# Allegro board 038RT-9068CJK8E-A100_0921_1.brd (continued)
## Placement (name value [footprint] x y rotation side) (continued)
NOREF#2531  -  []  224.48 37.13 90 top
NOREF#2532  -  []  229.6 290.73 0 top
NOREF#2533  -  []  582.4 265.96 90 top
NOREF#2534  -  []  54.32 242.6 0 top
NOREF#2535  -  []  94.1 290.41 90 top
NOREF#2536  -  []  406.47 268.25 90 top
NOREF#2537  -  []  441.2 144.61 0 top
NOREF#2538  -  []  399.5 36.11 0 top
NOREF#2539  -  []  498.27 222.56 90 top
NOREF#2540  -  []  22.46 381.99 0 top
NOREF#2541  -  []  406.07 267.02 0 top
NOREF#2542  -  []  318.68 43.56 90 top
NOREF#2543  -  []  440.01 227.06 0 top
NOREF#2544  -  []  405.27 270.22 0 top
NOREF#2545  -  []  611.36 331.22 90 top
NOREF#2546  -  []  436.51 224.7 0 top
NOREF#2547  -  []  88.21 262.63 0 top
NOREF#2548  -  []  600.79 198.63 90 top
NOREF#2549  -  []  441.22 281.69 90 top
NOREF#2550  -  []  84.27 230.11 0 top
NOREF#2551  -  []  290.9 271.79 90 top
NOREF#2552  -  []  520.41 47.24 90 top
NOREF#2553  -  []  678.41 226.07 0 top
NOREF#2554  -  []  404.11 212.21 0 top
NOREF#2555  -  []  97.32 153.24 0 top
NOREF#2556  -  []  158.28 429.7 90 top
NOREF#2557  -  []  220.26 33.83 90 top
NOREF#2558  -  []  518.42 214.96 90 top
NOREF#2559  -  []  493.24 378.54 0 top
NOREF#2560  -  []  597.59 203.43 90 top
NOREF#2561  -  []  416.18 378.54 0 top
NOREF#2562  -  []  168.38 58.88 90 top
NOREF#2563  -  []  586.33 182.01 90 top
NOREF#2564  -  []  96.13 289.19 90 top
NOREF#2565  -  []  362.76 207.6 0 top
NOREF#2566  -  []  626.47 207.34 0 top
NOREF#2567  -  []  527.31 53.55 90 top
NOREF#2568  -  []  96.19 208.25 90 top
NOREF#2569  -  []  96.57 269.42 0 top
NOREF#2570  -  []  63.36 262.31 90 top
NOREF#2571  -  []  426.57 417.96 90 top
NOREF#2572  -  []  197.76 21.33 0 top
NOREF#2573  -  []  358.42 41.32 90 top
NOREF#2574  -  []  544.43 52.55 90 top
NOREF#2575  -  []  164.39 221.16 90 top
NOREF#2576  -  []  284.11 265.83 0 top
NOREF#2577  -  []  633.45 320.43 0 top
NOREF#2578  -  []  83.59 255.14 90 top
NOREF#2579  -  []  592.44 312.42 90 top
NOREF#2580  -  []  370.03 213.54 90 top
NOREF#2581  -  []  118.53 34.57 0 top
NOREF#2582  -  []  340.65 193.65 90 top
NOREF#2583  -  []  522.71 46.5 0 top
NOREF#2584  -  []  86.97 264.62 0 top
NOREF#2585  -  []  100.97 201.03 90 top
NOREF#2586  -  []  98.59 269.85 90 top
NOREF#2587  -  []  153.74 453.5 90 top
NOREF#2588  -  []  171.86 53.34 90 top
NOREF#2589  -  []  273.03 213.53 90 top
NOREF#2590  -  []  411.29 269.05 90 top
NOREF#2591  -  []  400.08 251.74 90 top
NOREF#2592  -  []  318.02 27.56 0 top
NOREF#2593  -  []  682.83 146.3 90 top
NOREF#2594  -  []  406.49 199.43 0 top
NOREF#2595  -  []  284.94 282.96 90 top
NOREF#2596  -  []  623.58 285.14 90 top
NOREF#2597  -  []  88.33 290.11 0 top
NOREF#2598  -  []  599.21 199.41 0 top
NOREF#2599  -  []  537.38 238.4 90 top
NOREF#2600  -  []  403.29 206.61 0 top
NOREF#2601  -  []  155.74 456.3 0 top
NOREF#2602  -  []  408.55 190.87 90 top
NOREF#2603  -  []  594.79 181.71 90 top
NOREF#2604  -  []  529.78 222.56 90 top
NOREF#2605  -  []  600.88 181.71 90 top
NOREF#2606  -  []  98.17 204.62 0 top
NOREF#2607  -  []  108.43 196.21 90 top
NOREF#2608  -  []  594.46 182.01 90 top
NOREF#2609  -  []  494.78 420.16 90 top
NOREF#2610  -  []  408.09 203.43 90 top
NOREF#2611  -  []  157.11 286.01 0 top
NOREF#2612  -  []  574.64 191.95 90 top
NOREF#2613  -  []  683.79 105.03 90 top
NOREF#2614  -  []  477.41 27.63 90 top
NOREF#2615  -  []  621.83 149.4 90 top
NOREF#2616  -  []  284.44 223.23 90 top
NOREF#2617  -  []  631.5 364.87 90 top
NOREF#2618  -  []  283.24 280.07 0 top
NOREF#2619  -  []  283.29 206.61 0 top
NOREF#2620  -  []  599.97 207.45 90 top
NOREF#2621  -  []  406.49 204.23 0 top
NOREF#2622  -  []  103.1 229.44 90 top
NOREF#2623  -  []  338.55 24.66 0 top
NOREF#2624  -  []  330.67 448.21 90 top
NOREF#2625  -  []  575.29 191.96 90 top
NOREF#2626  -  []  157.25 272.9 0 top
NOREF#2627  -  []  606.28 332.36 90 top
NOREF#2628  -  []  336.65 266.23 0 top
NOREF#2629  -  []  597.37 241.05 90 top
NOREF#2630  -  []  209.38 259.08 90 top
NOREF#2631  -  []  344.82 19.6 0 top
NOREF#2632  -  []  287.6 277.29 90 top
NOREF#2633  -  []  15.1 414.65 90 top
NOREF#2634  -  []  447.2 326.54 90 top
NOREF#2635  -  []  105.96 216.86 0 top
NOREF#2636  -  []  278.52 280.05 0 top
NOREF#2637  -  []  220.63 439.19 0 top
NOREF#2638  -  []  519.64 35.81 90 top
NOREF#2639  -  []  155.98 51.05 0 top
NOREF#2640  -  []  93.81 200.23 0 top
NOREF#2641  -  []  591.68 149.86 90 top
NOREF#2642  -  []  510.14 53.97 90 top
NOREF#2643  -  []  98.17 207.02 0 top
NOREF#2644  -  []  100.97 266.63 90 top
NOREF#2645  -  []  282.1 202.2 90 top
NOREF#2646  -  []  180.15 214.96 90 top
NOREF#2647  -  []  573.99 214.56 90 top
NOREF#2648  -  []  -6.71 287.4 0 top
NOREF#2649  -  []  364.78 264.62 0 top
NOREF#2650  -  []  250.33 213.29 90 top
NOREF#2651  -  []  62.84 186.47 90 top
NOREF#2652  -  []  528.13 237 0 top
NOREF#2653  -  []  236 284.13 90 top
NOREF#2654  -  []  89.01 199.41 0 top
NOREF#2655  -  []  310.69 454.25 0 top
NOREF#2656  -  []  623.88 219.68 0 top
NOREF#2657  -  []  385.75 431.58 90 top
NOREF#2658  -  []  435.3 286.73 0 top
NOREF#2659  -  []  601.2 213.4 90 top
NOREF#2660  -  []  549.42 232.05 0 top
NOREF#2661  -  []  188.77 260.48 0 top
NOREF#2662  -  []  387.8 436.97 90 top
NOREF#2663  -  []  690.26 280.33 90 top
NOREF#2664  -  []  592.37 264.62 0 top
NOREF#2665  -  []  324.92 206.75 90 top
NOREF#2666  -  []  94.97 266.22 0 top
NOREF#2667  -  []  421.32 426.36 0 top
NOREF#2668  -  []  91.39 213.03 0 top
NOREF#2669  -  []  403.31 213.03 0 top
NOREF#2670  -  []  99.39 206.61 0 top
NOREF#2671  -  []  603.57 200.62 0 top
NOREF#2672  -  []  537.38 204.44 90 top
NOREF#2673  -  []  592.79 264.25 90 top
NOREF#2674  -  []  494.78 425.56 0 top
NOREF#2675  -  []  282.79 330.54 90 top
NOREF#2676  -  []  270.55 436.97 90 top
NOREF#2677  -  []  398.1 273.42 0 top
NOREF#2678  -  []  283.79 223.21 90 top
NOREF#2679  -  []  594.14 181.7 90 top
NOREF#2680  -  []  416.58 454.84 315 top
NOREF#2681  -  []  288.89 205.85 90 top
NOREF#2682  -  []  36.29 220.6 90 top
NOREF#2683  -  []  399.29 271.45 90 top
NOREF#2684  -  []  436.21 288.44 0 top
NOREF#2685  -  []  594.77 263.02 0 top
NOREF#2686  -  []  417.52 250.01 90 top
NOREF#2687  -  []  398.41 439.19 0 top
NOREF#2688  -  []  405.3 208.6 90 top
NOREF#2689  -  []  586.33 242.01 90 top
NOREF#2690  -  []  596.17 241.7 0 top
NOREF#2691  -  []  92.17 203.45 90 top
NOREF#2692  -  []  91 200.6 90 top
NOREF#2693  -  []  334.78 30.1 90 top
NOREF#2694  -  []  142.45 207.7 0 top
NOREF#2695  -  []  402.47 269.83 90 top
NOREF#2696  -  []  599.21 272.21 0 top
NOREF#2697  -  []  87.37 263.45 90 top
NOREF#2698  -  []  358.83 270.99 0 top
NOREF#2699  -  []  407.29 213.01 0 top
NOREF#2700  -  []  15.31 143.02 90 top
NOREF#2701  -  []  91.8 330.83 0 top
NOREF#2702  -  []  518.88 44.7 0 top
NOREF#2703  -  []  88.99 210.63 0 top
NOREF#2704  -  []  94.47 314.58 0 top
NOREF#2705  -  []  494.78 417.96 90 top
NOREF#2706  -  []  582.4 205.96 90 top
NOREF#2707  -  []  340.75 38.37 90 top
NOREF#2708  -  []  654.31 220.6 90 top
NOREF#2709  -  []  531.98 198.09 0 top
NOREF#2710  -  []  370.21 92.61 90 top
NOREF#2711  -  []  603.97 209.03 90 top
NOREF#2712  -  []  232.2 203 0 top
NOREF#2713  -  []  354.63 39.83 90 top
NOREF#2714  -  []  110.98 157.86 0 top
NOREF#2715  -  []  324.89 221.21 0 top
NOREF#2716  -  []  359.73 203.62 0 top
NOREF#2717  -  []  184.56 447.73 90 top
NOREF#2718  -  []  636.29 153.92 0 top
NOREF#2719  -  []  99.87 290.09 0 top
NOREF#2720  -  []  440.02 286.41 0 top
NOREF#2721  -  []  373.61 270.11 90 top
NOREF#2722  -  []  596.77 265.85 90 top
NOREF#2723  -  []  129.9 320.04 0 top
NOREF#2724  -  []  261.3 206.22 90 top
NOREF#2725  -  []  407.31 204.21 0 top
NOREF#2726  -  []  101.96 160.02 90 top
NOREF#2727  -  []  447.04 418.84 0 top
NOREF#2728  -  []  602.41 269.83 0 top
NOREF#2729  -  []  411.7 211.8 90 top
NOREF#2730  -  []  285.71 209.81 0 top
NOREF#2731  -  []  593.17 263.02 0 top
NOREF#2732  -  []  586.93 322.4 90 top
NOREF#2733  -  []  602.39 212.23 90 top
NOREF#2734  -  []  88.57 265.42 0 top
NOREF#2735  -  []  155.14 222.56 0 top
NOREF#2736  -  []  281.3 211 90 top
NOREF#2737  -  []  609.98 270.47 0 top
NOREF#2738  -  []  76.11 201.52 0 top
NOREF#2739  -  []  599.99 204.23 0 top
NOREF#2740  -  []  280.89 201.03 90 top
NOREF#2741  -  []  405.69 265.85 90 top
NOREF#2742  -  []  72.6 173.97 0 top
NOREF#2743  -  []  -57.3 18.09 90 top
NOREF#2744  -  []  280.89 199.43 0 top
NOREF#2745  -  []  287.29 209.03 90 top
NOREF#2746  -  []  284.09 269.83 90 top
NOREF#2747  -  []  452.01 27.63 0 top
NOREF#2748  -  []  52.31 275.01 90 top
NOREF#2749  -  []  124.85 186.22 90 top
NOREF#2750  -  []  598.39 206.63 90 top
NOREF#2751  -  []  603.99 207.41 0 top
NOREF#2752  -  []  598.37 211.43 90 top
NOREF#2753  -  []  627.24 267.08 90 top
NOREF#2754  -  []  328.31 444.8 0 top
NOREF#2755  -  []  631.5 162.63 90 top
NOREF#2756  -  []  25.25 449.41 0 top
NOREF#2757  -  []  290.95 285.56 90 top
NOREF#2758  -  []  263.3 288.22 0 top
NOREF#2759  -  []  591.21 267.43 0 top
NOREF#2760  -  []  87.5 289.46 90 top
NOREF#2761  -  []  606.37 199.43 90 top
NOREF#2762  -  []  281.75 219.4 90 top
NOREF#2763  -  []  682.83 63.75 90 top
NOREF#2764  -  []  410.49 261.03 90 top
NOREF#2765  -  []  388.15 189.07 90 top
NOREF#2766  -  []  88.17 197.83 90 top
NOREF#2767  -  []  308.62 27.31 90 top
NOREF#2768  -  []  78.61 258.12 0 top
NOREF#2769  -  []  303.26 418.84 90 top
NOREF#2770  -  []  405.59 222.09 0 top
NOREF#2771  -  []  407.31 213.01 0 top
NOREF#2772  -  []  297.85 261.9 0 top
NOREF#2773  -  []  644.7 24.22 0 top
NOREF#2774  -  []  408.87 272.23 90 top
NOREF#2775  -  []  629.25 153.92 0 top
NOREF#2776  -  []  584.63 181.71 0 top
NOREF#2777  -  []  373.61 273.31 0 top
NOREF#2778  -  []  117.51 434.2 0 top
NOREF#2779  -  []  288.5 261.39 90 top
NOREF#2780  -  []  87.8 209.4 90 top
NOREF#2781  -  []  166.78 53.34 90 top
NOREF#2782  -  []  561.83 310.77 90 top
NOREF#2783  -  []  440.32 224.7 0 top
NOREF#2784  -  []  95.97 218.38 0 top
NOREF#2785  -  []  440.28 21.92 0 top
NOREF#2786  -  []  407.67 204.62 0 top
NOREF#2787  -  []  282.49 210.63 0 top
NOREF#2788  -  []  184.37 266.69 0 top
NOREF#2789  -  []  86.97 271.02 0 top
NOREF#2790  -  []  503.67 219.56 0 top
NOREF#2791  -  []  409.69 203.43 90 top
NOREF#2792  -  []  286.47 283.23 90 top
NOREF#2793  -  []  98.59 264.25 90 top
NOREF#2794  -  []  78.61 262.82 0 top
NOREF#2795  -  []  461.73 144.84 0 top
NOREF#2796  -  []  88.19 262.61 0 top
NOREF#2797  -  []  286.49 221.84 0 top
NOREF#2798  -  []  220.9 431.02 90 top
NOREF#2799  -  []  339.41 415.37 0 top
NOREF#2800  -  []  683.79 325.12 90 top
NOREF#2801  -  []  76.66 198.12 0 top
NOREF#2802  -  []  102.55 230.11 0 top
NOREF#2803  -  []  88.17 257.83 90 top
NOREF#2804  -  []  402.1 262.2 90 top
NOREF#2805  -  []  38.32 458.11 0 top
NOREF#2806  -  []  72.88 157.86 0 top
NOREF#2807  -  []  95.77 203.02 0 top
NOREF#2808  -  []  292.87 261.05 90 top
NOREF#2809  -  []  99.41 269.03 90 top
NOREF#2810  -  []  288.5 263 90 top
NOREF#2811  -  []  408.55 250.87 90 top
NOREF#2812  -  []  96.99 272.21 0 top
NOREF#2813  -  []  95.41 265.81 0 top
NOREF#2814  -  []  254.99 417.96 90 top
NOREF#2815  -  []  88.19 271.41 0 top
NOREF#2816  -  []  358.53 261.52 90 top
NOREF#2817  -  []  238.83 209.39 90 top
NOREF#2818  -  []  491.74 449.83 90 top
NOREF#2819  -  []  534.18 191.74 0 top
NOREF#2820  -  []  99.39 201.81 0 top
NOREF#2821  -  []  343.73 332.54 90 top
NOREF#2822  -  []  207.3 177.22 0 top
NOREF#2823  -  []  294.73 190.4 0 top
NOREF#2824  -  []  388.7 431.58 90 top
NOREF#2825  -  []  448.33 436.97 90 top
NOREF#2826  -  []  556.62 149.86 90 top
NOREF#2827  -  []  162.2 425.5 90 top
NOREF#2828  -  []  238.53 269.14 90 top
NOREF#2829  -  []  86.61 205.83 0 top
NOREF#2830  -  []  536 246.22 90 top
NOREF#2831  -  []  263.3 183.02 0 top
NOREF#2832  -  []  514.03 222.56 90 top
NOREF#2833  -  []  60.63 246.01 90 top
NOREF#2834  -  []  188.77 272.9 0 top
NOREF#2835  -  []  343.8 424.48 0 top
NOREF#2836  -  []  510.41 443.53 0 top
NOREF#2837  -  []  170.9 228.77 0 top
NOREF#2838  -  []  406.07 207.02 0 top
NOREF#2839  -  []  402.49 207.45 90 top
NOREF#2840  -  []  207.73 326.54 90 top
NOREF#2841  -  []  238.53 201.52 90 top
NOREF#2842  -  []  280.07 269.03 90 top
NOREF#2843  -  []  603.46 241.05 90 top
NOREF#2844  -  []  95.99 278.38 0 top
NOREF#2845  -  []  282.47 271.43 90 top
NOREF#2846  -  []  256.81 273.31 0 top
NOREF#2847  -  []  290.9 211.8 90 top
NOREF#2848  -  []  276.31 223.23 90 top
NOREF#2849  -  []  358.53 201.52 90 top
NOREF#2850  -  []  682.83 190.12 90 top
NOREF#2851  -  []  602.39 205.85 90 top
NOREF#2852  -  []  406.07 272.62 0 top
NOREF#2853  -  []  408.11 264.21 0 top
NOREF#2854  -  []  623.88 284.89 0 top
NOREF#2855  -  []  85.81 272.23 0 top
NOREF#2856  -  []  627.76 196.98 0 top
NOREF#2857  -  []  15.1 414.65 0 top
NOREF#2858  -  []  593.34 193.37 90 top
NOREF#2859  -  []  328.31 426.39 90 top
NOREF#2860  -  []  268.15 283.37 0 top
NOREF#2861  -  []  411.27 209.83 90 top
NOREF#2862  -  []  241.25 418.84 90 top
NOREF#2863  -  []  18.92 446.05 90 top
NOREF#2864  -  []  239.73 203.62 0 top
NOREF#2865  -  []  288.87 266.63 90 top
NOREF#2866  -  []  94.98 229.44 90 top
NOREF#2867  -  []  597.57 203.43 90 top
NOREF#2868  -  []  79.87 337.82 90 top
NOREF#2869  -  []  399.31 265.01 0 top
NOREF#2870  -  []  437.4 228.44 90 top
NOREF#2871  -  []  262.26 427.89 90 top
NOREF#2872  -  []  86.22 127.64 90 top
NOREF#2873  -  []  599.17 267.45 90 top
NOREF#2874  -  []  405.69 205.05 90 top
NOREF#2875  -  []  583.33 48.47 90 top
NOREF#2876  -  []  612.33 322.4 90 top
NOREF#2877  -  []  189.31 434.8 0 top
NOREF#2878  -  []  597.57 265.83 90 top
NOREF#2879  -  []  603.6 271 90 top
NOREF#2880  -  []  97.21 278.77 0 top
NOREF#2881  -  []  319.54 30.1 90 top
NOREF#2882  -  []  222.83 428.64 90 top
NOREF#2883  -  []  136.56 425.85 0 top
NOREF#2884  -  []  50.5 403.54 90 top
NOREF#2885  -  []  93.86 219.07 90 top
NOREF#2886  -  []  593.17 266.22 0 top
NOREF#2887  -  []  605.2 266.99 90 top
NOREF#2888  -  []  404.11 265.03 0 top
NOREF#2889  -  []  318.78 34.54 90 top
NOREF#2890  -  []  386.86 201.86 90 top
NOREF#2891  -  []  166.96 265.29 0 top
NOREF#2892  -  []  263.76 416.84 0 top
NOREF#2893  -  []  237.23 204.07 0 top
NOREF#2894  -  []  592.37 208.62 0 top
NOREF#2895  -  []  60.05 258.5 90 top
NOREF#2896  -  []  99.69 289.46 90 top
NOREF#2897  -  []  91.37 269.85 90 top
NOREF#2898  -  []  531.98 191.74 0 top
NOREF#2899  -  []  394.75 243.91 90 top
NOREF#2900  -  []  216.91 36.71 90 top
NOREF#2901  -  []  280.88 219.15 90 top
NOREF#2902  -  []  617.08 338.45 90 top
NOREF#2903  -  []  92.99 203.43 90 top
NOREF#2904  -  []  412.09 208.21 0 top
NOREF#2905  -  []  72.02 203.32 90 top
NOREF#2906  -  []  603.99 209.05 90 top
NOREF#2907  -  []  340.65 250.8 90 top
NOREF#2908  -  []  404.11 206.63 0 top
NOREF#2909  -  []  599.6 270.99 90 top
NOREF#2910  -  []  278.52 223.86 0 top
NOREF#2911  -  []  572.1 264.29 90 top
NOREF#2912  -  []  687.4 176.66 90 top
NOREF#2913  -  []  90.59 270.63 0 top
NOREF#2914  -  []  94.17 200.62 0 top
NOREF#2915  -  []  414.28 183.91 90 top
NOREF#2916  -  []  594.72 160.02 90 top
NOREF#2917  -  []  329.57 142.61 90 top
NOREF#2918  -  []  402.49 270.63 0 top
NOREF#2919  -  []  222.05 438.04 0 top
NOREF#2920  -  []  277.14 220.07 0 top
NOREF#2921  -  []  60.63 247.41 90 top
NOREF#2922  -  []  278.91 36.71 90 top
NOREF#2923  -  []  611.36 338.45 90 top
NOREF#2924  -  []  289.3 260.59 90 top
NOREF#2925  -  []  605.32 224.37 90 top
NOREF#2926  -  []  508.85 45.59 90 top
NOREF#2927  -  []  441.22 277.63 90 top
NOREF#2928  -  []  331.99 424.48 90 top
NOREF#2929  -  []  406.92 42.73 90 top
NOREF#2930  -  []  94.43 230.11 0 top
NOREF#2931  -  []  155.98 32 90 top
NOREF#2932  -  []  86.97 205.42 0 top
NOREF#2933  -  []  333.69 415.37 0 top
NOREF#2934  -  []  286.47 202.63 90 top
NOREF#2935  -  []  288.11 204.21 0 top
NOREF#2936  -  []  286.9 200.59 90 top
NOREF#2937  -  []  168.38 36.63 0 top
NOREF#2938  -  []  325.13 447.93 0 top
NOREF#2939  -  []  594.77 265.42 0 top
NOREF#2940  -  []  67.4 186.22 0 top
NOREF#2941  -  []  276.81 220.37 90 top
NOREF#2942  -  []  325.22 255.5 0 top
NOREF#2943  -  []  436.2 218.93 0 top
NOREF#2944  -  []  168.38 36.63 90 top
NOREF#2945  -  []  638.54 160.43 90 top
NOREF#2946  -  []  647.13 79.81 0 top
NOREF#2947  -  []  92.57 309.63 90 top
NOREF#2948  -  []  86.61 265.83 0 top
NOREF#2949  -  []  98.92 159.77 90 top
NOREF#2950  -  []  592.1 181.7 90 top
NOREF#2951  -  []  592.01 268.23 0 top
NOREF#2952  -  []  501.47 263.68 0 top
NOREF#2953  -  []  97.01 209.83 0 top
NOREF#2954  -  []  132.95 51.62 90 top
NOREF#2955  -  []  59.69 146.41 90 top
NOREF#2956  -  []  634.88 260.67 90 top
NOREF#2957  -  []  25.93 473.4 0 top
NOREF#2958  -  []  35.42 140.33 90 top
NOREF#2959  -  []  256.81 266.2 0 top
NOREF#2960  -  []  49.99 236.14 0 top
NOREF#2961  -  []  98.28 157.86 0 top
NOREF#2962  -  []  337.54 22.63 90 top
NOREF#2963  -  []  595.17 201.83 90 top
NOREF#2964  -  []  584.3 182.01 90 top
NOREF#2965  -  []  601.17 268.62 0 top
NOREF#2966  -  []  87.41 210.61 0 top
NOREF#2967  -  []  475.55 39.2 90 top
NOREF#2968  -  []  94.59 208.23 0 top
NOREF#2969  -  []  173.46 36.63 0 top
NOREF#2970  -  []  200.13 260.48 0 top
NOREF#2971  -  []  290.9 203.8 90 top
NOREF#2972  -  []  604.38 134.37 0 top
NOREF#2973  -  []  289.69 263.43 90 top
NOREF#2974  -  []  440.32 278.61 0 top
NOREF#2975  -  []  161.06 32 90 top
NOREF#2976  -  []  572.63 316.87 90 top
NOREF#2977  -  []  273.03 265.66 90 top
NOREF#2978  -  []  409.69 209.01 0 top
NOREF#2979  -  []  97.01 262.63 0 top
NOREF#2980  -  []  402.1 269.39 90 top
NOREF#2981  -  []  456.11 34.58 90 top
NOREF#2982  -  []  461.21 428.64 90 top
NOREF#2983  -  []  106.29 289.19 90 top
NOREF#2984  -  []  285.27 210.22 0 top
NOREF#2985  -  []  209.3 280.22 0 top
NOREF#2986  -  []  291.27 271.43 90 top
NOREF#2987  -  []  409.7 290.11 90 top
NOREF#2988  -  []  508.62 51.44 0 top
NOREF#2989  -  []  385.96 275.24 90 top
NOREF#2990  -  []  194.25 216.36 90 top
NOREF#2991  -  []  618.68 322.4 90 top
NOREF#2992  -  []  88.19 264.25 90 top
NOREF#2993  -  []  285.69 204.25 90 top
NOREF#2994  -  []  673.94 182.5 90 top
NOREF#2995  -  []  92.97 272.25 90 top
NOREF#2996  -  []  285.3 208.6 90 top
NOREF#2997  -  []  95.41 205.81 0 top
NOREF#2998  -  []  441.54 416.84 0 top
NOREF#2999  -  []  623.88 279.68 0 top
NOREF#3000  -  []  268.15 189.07 0 top
NOREF#3001  -  []  368.69 446.71 90 top
NOREF#3002  -  []  175.97 41.32 90 top
NOREF#3003  -  []  313.95 454.91 90 top
NOREF#3004  -  []  283.31 268.23 0 top
NOREF#3005  -  []  349.51 424.48 90 top
NOREF#3006  -  []  287.31 213.01 0 top
NOREF#3007  -  []  97.37 205.42 0 top
NOREF#3008  -  []  102.23 290.41 90 top
NOREF#3009  -  []  165.51 438.45 90 top
NOREF#3010  -  []  248.78 420.16 90 top
NOREF#3011  -  []  167.92 425.5 90 top
NOREF#3012  -  []  593.59 207.45 90 top
NOREF#3013  -  []  400.5 38.13 90 top
NOREF#3014  -  []  628 265.81 90 top
NOREF#3015  -  []  237.85 285.12 0 top
NOREF#3016  -  []  52.64 383.89 90 top
NOREF#3017  -  []  413.67 207.43 90 top
NOREF#3018  -  []  94.97 267.82 0 top
NOREF#3019  -  []  603.17 205.83 90 top
NOREF#3020  -  []  227.8 270.11 0 top
NOREF#3021  -  []  191.36 39.72 0 top
NOREF#3022  -  []  204.53 260.48 0 top
NOREF#3023  -  []  91.37 208.23 90 top
NOREF#3024  -  []  90.2 262.2 90 top
NOREF#3025  -  []  545.02 232.05 0 top
NOREF#3026  -  []  448.27 416.31 90 top
NOREF#3027  -  []  405.11 254.75 0 top
NOREF#3028  -  []  412.87 262.65 90 top
NOREF#3029  -  []  89.79 199.43 0 top
NOREF#3030  -  []  409.69 270.61 0 top
NOREF#3031  -  []  313.95 449.83 0 top
NOREF#3032  -  []  287.9 254.36 90 top
NOREF#3033  -  []  284.87 265.03 90 top
NOREF#3034  -  []  282.1 203.8 90 top
NOREF#3035  -  []  317 417.96 90 top
NOREF#3036  -  []  224.48 42.73 90 top
NOREF#3037  -  []  536.68 57.4 0 top
NOREF#3038  -  []  409.67 208.25 90 top
NOREF#3039  -  []  147.51 427.5 90 top
NOREF#3040  -  []  282.4 283.23 90 top
NOREF#3041  -  []  408.89 203.43 90 top
NOREF#3042  -  []  283.09 230.11 90 top
NOREF#3043  -  []  89.79 201.03 90 top
NOREF#3044  -  []  555.35 49.32 0 top
NOREF#3045  -  []  211.65 34.58 90 top
NOREF#3046  -  []  348.72 29.84 90 top
NOREF#3047  -  []  408.09 271.43 90 top
NOREF#3048  -  []  508.85 49.4 0 top
NOREF#3049  -  []  603.97 204.25 90 top
NOREF#3050  -  []  96.13 290.41 90 top
NOREF#3051  -  []  84.82 229.44 90 top
NOREF#3052  -  []  284.94 224.18 90 top
NOREF#3053  -  []  85.4 199.02 0 top
NOREF#3054  -  []  288.89 200.98 0 top
NOREF#3055  -  []  399.67 211.82 0 top
NOREF#3056  -  []  621.19 126.54 90 top
NOREF#3057  -  []  585.69 264.65 90 top
NOREF#3058  -  []  85.4 264.6 90 top
NOREF#3059  -  []  439.11 282.67 0 top
NOREF#3060  -  []  141.18 240.39 0 top
NOREF#3061  -  []  94.47 310.77 90 top
NOREF#3062  -  []  242.87 49.56 0 top
NOREF#3063  -  []  574 328.22 0 top
NOREF#3064  -  []  412.47 262.22 0 top
NOREF#3065  -  []  332.5 416.31 90 top
NOREF#3066  -  []  101.07 289.44 90 top
NOREF#3067  -  []  440.01 225.03 0 top
NOREF#3068  -  []  58.89 216.31 0 top
NOREF#3069  -  []  358.67 289.31 0 top
NOREF#3070  -  []  291.29 208.25 90 top
NOREF#3071  -  []  413.69 266.65 90 top
NOREF#3072  -  []  185 221.16 0 top
NOREF#3073  -  []  598.41 264.21 0 top
NOREF#3074  -  []  336.67 217.53 90 top
NOREF#3075  -  []  302.24 207.47 90 top
NOREF#3076  -  []  285.3 211 90 top
NOREF#3077  -  []  412.09 261.81 0 top
NOREF#3078  -  []  279.72 219.4 90 top
NOREF#3079  -  []  79.87 127.64 90 top
NOREF#3080  -  []  238.53 211.24 0 top
NOREF#3081  -  []  92.19 205.03 0 top
NOREF#3082  -  []  297.35 205.79 90 top
NOREF#3083  -  []  593.59 269.81 0 top
NOREF#3084  -  []  234.39 183.38 90 top
NOREF#3085  -  []  104.59 230.11 0 top
NOREF#3086  -  []  290.87 211.02 0 top
NOREF#3087  -  []  230 263 0 top
NOREF#3088  -  []  615.17 209.12 90 top
NOREF#3089  -  []  408.91 261.81 0 top
NOREF#3090  -  []  366.3 265.49 90 top
NOREF#3091  -  []  217.06 36.11 0 top
NOREF#3092  -  []  211.55 448.54 0 top
NOREF#3093  -  []  98.59 259.45 90 top
NOREF#3094  -  []  407.29 268.21 0 top
NOREF#3095  -  []  617.08 159.77 90 top
NOREF#3096  -  []  120.38 29.42 90 top
NOREF#3097  -  []  339.73 378.54 0 top
NOREF#3098  -  []  165.51 447.73 90 top
NOREF#3099  -  []  399.31 203.41 0 top
NOREF#3100  -  []  595.17 258.65 90 top
NOREF#3101  -  []  11.29 258.4 90 top
NOREF#3102  -  []  336.67 263.25 90 top
NOREF#3103  -  []  597.57 202.63 90 top
NOREF#3104  -  []  593.2 259.8 90 top
NOREF#3105  -  []  466.22 378.54 0 top
NOREF#3106  -  []  276.31 283.23 90 top
NOREF#3107  -  []  281.71 201.81 0 top
NOREF#3108  -  []  88.33 230.11 0 top
NOREF#3109  -  []  293.17 281.66 0 top
NOREF#3110  -  []  287.31 266.63 0 top
NOREF#3111  -  []  603.99 265.01 0 top
NOREF#3112  -  []  559.93 149.61 90 top
NOREF#3113  -  []  308.62 34.54 90 top
NOREF#3114  -  []  7.76 52.32 90 top
NOREF#3115  -  []  286.1 263 90 top
NOREF#3116  -  []  435.3 228.77 0 top
NOREF#3117  -  []  79.23 154.05 90 top
NOREF#3118  -  []  83.94 229.19 90 top
NOREF#3119  -  []  600.4 269.39 90 top
NOREF#3120  -  []  406.49 281.84 0 top
NOREF#3121  -  []  94.97 269.42 0 top
NOREF#3122  -  []  99.04 229.44 90 top
NOREF#3123  -  []  279.17 283.88 0 top
NOREF#3124  -  []  364.85 23.16 0 top
NOREF#3125  -  []  87.37 203.45 90 top
NOREF#3126  -  []  330.67 443.13 0 top
NOREF#3127  -  []  94.17 343.36 90 top
NOREF#3128  -  []  189.51 53.56 90 top
NOREF#3129  -  []  117.2 309.88 0 top
NOREF#3130  -  []  265.26 23.33 0 top
NOREF#3131  -  []  236.58 229.54 0 top
NOREF#3132  -  []  325.24 263.9 90 top
NOREF#3133  -  []  595.17 261.83 90 top
NOREF#3134  -  []  290.87 261.42 0 top
NOREF#3135  -  []  406.25 438.24 90 top
NOREF#3136  -  []  673.94 155.19 90 top
NOREF#3137  -  []  278.1 273.42 0 top
NOREF#3138  -  []  92.6 205.39 90 top
NOREF#3139  -  []  360.31 442.9 0 top
NOREF#3140  -  []  536 246.22 90 top
NOREF#3141  -  []  58.89 271.67 0 top
NOREF#3142  -  []  282.91 224.18 90 top
NOREF#3143  -  []  604.62 240.8 90 top
NOREF#3144  -  []  117.8 246.22 90 top
NOREF#3145  -  []  30.4 450.36 90 top
NOREF#3146  -  []  282.51 270.61 0 top
NOREF#3147  -  []  409.69 212.21 0 top
NOREF#3148  -  []  460.84 431.62 0 top
NOREF#3149  -  []  602.77 204.62 0 top
NOREF#3150  -  []  503.18 227.16 0 top
NOREF#3151  -  []  503.18 233.37 0 top
NOREF#3152  -  []  604.38 316.87 90 top
NOREF#3153  -  []  592.01 204.23 0 top
NOREF#3154  -  []  604.95 181.71 90 top
NOREF#3155  -  []  593.59 267.45 90 top
NOREF#3156  -  []  84.73 179.44 90 top
NOREF#3157  -  []  90.61 208.21 0 top
NOREF#3158  -  []  330.67 448.21 0 top
NOREF#3159  -  []  292.2 218.14 0 top
NOREF#3160  -  []  290.47 260.2 90 top
NOREF#3161  -  []  275.11 223.88 0 top
NOREF#3162  -  []  704.31 220.6 90 top
NOREF#3163  -  []  602.8 199.8 90 top
NOREF#3164  -  []  634.88 256.03 90 top
NOREF#3165  -  []  394.75 183.91 90 top
NOREF#3166  -  []  86.85 229.44 90 top
NOREF#3167  -  []  119.57 325.6 0 top
NOREF#3168  -  []  249.25 434.85 90 top
NOREF#3169  -  []  608.03 215.17 0 top
NOREF#3170  -  []  240.57 272.59 90 top
NOREF#3171  -  []  279.31 265.01 0 top
NOREF#3172  -  []  427.3 226.22 0 top
NOREF#3173  -  []  274.46 280.05 0 top
NOREF#3174  -  []  177.86 259.08 90 top
NOREF#3175  -  []  89.77 203.43 90 top
NOREF#3176  -  []  38.18 439.55 0 top
NOREF#3177  -  []  604.02 19.99 0 top
NOREF#3178  -  []  404.5 200.59 90 top
NOREF#3179  -  []  24.75 423.7 0 top
NOREF#3180  -  []  360.57 212.59 90 top
NOREF#3181  -  []  293.67 201.03 90 top
NOREF#3182  -  []  633.37 284.63 90 top
NOREF#3183  -  []  27.76 392.59 90 top
NOREF#3184  -  []  279.7 202.2 90 top
NOREF#3185  -  []  426.57 425.56 0 top
NOREF#3186  -  []  404.89 203.41 0 top
NOREF#3187  -  []  396.2 40.33 0 top
NOREF#3188  -  []  27.84 468.25 0 top
NOREF#3189  -  []  399.7 260.59 90 top
NOREF#3190  -  []  93.77 207.45 90 top
NOREF#3191  -  []  673.94 147.57 0 top
NOREF#3192  -  []  602.77 267.02 0 top
NOREF#3193  -  []  682.83 52.32 90 top
NOREF#3194  -  []  286.07 207.82 0 top
NOREF#3195  -  []  602.8 271 90 top
NOREF#3196  -  []  110.98 154.05 90 top
NOREF#3197  -  []  601.17 204.62 0 top
NOREF#3198  -  []  176.21 272.9 90 top
NOREF#3199  -  []  91 205.39 90 top
NOREF#3200  -  []  88.6 200.59 90 top
NOREF#3201  -  []  72.02 257.22 90 top
NOREF#3202  -  []  602.46 231.2 90 top
NOREF#3203  -  []  532.98 276.1 0 top
NOREF#3204  -  []  14.11 53.59 90 top
NOREF#3205  -  []  168.61 260.48 0 top
NOREF#3206  -  []  89.26 164.08 0 top
NOREF#3207  -  []  592.79 265.05 90 top
NOREF#3208  -  []  288.09 209.03 0 top
NOREF#3209  -  []  592.76 202.63 0 top
NOREF#3210  -  []  405.71 209.81 0 top
NOREF#3211  -  []  52.64 159.13 90 top
NOREF#3212  -  []  86.22 159.77 90 top
NOREF#3213  -  []  194.25 222.56 90 top
NOREF#3214  -  []  407.7 263 90 top
NOREF#3215  -  []  329.7 45.97 90 top
NOREF#3216  -  []  79.1 330.83 0 top
NOREF#3217  -  []  347.1 437.44 90 top
NOREF#3218  -  []  292.09 212.23 90 top
NOREF#3219  -  []  278.85 222.96 90 top
NOREF#3220  -  []  682.28 49.29 90 top
NOREF#3221  -  []  528.71 46.5 90 top
NOREF#3222  -  []  111.62 309.63 90 top
NOREF#3223  -  []  440.32 280.64 0 top
NOREF#3224  -  []  607.87 17.54 0 top
NOREF#3225  -  []  603.17 212.25 90 top
NOREF#3226  -  []  408.47 271.02 0 top
NOREF#3227  -  []  413.1 281.84 0 top
NOREF#3228  -  []  436.21 280.31 0 top
NOREF#3229  -  []  34.34 277.77 90 top
NOREF#3230  -  []  351.03 23.47 0 top
NOREF#3231  -  []  679.31 238.12 0 top
NOREF#3232  -  []  92.19 272.23 90 top
NOREF#3233  -  []  81.36 262.82 90 top
NOREF#3234  -  []  373.61 266.2 0 top
NOREF#3235  -  []  410.47 200.2 90 top
NOREF#3236  -  []  343.8 442.9 0 top
NOREF#3237  -  []  283.67 273.42 0 top
NOREF#3238  -  []  242.71 201.95 90 top
NOREF#3239  -  []  360.41 414.58 0 top
NOREF#3240  -  []  89.01 259.41 0 top
NOREF#3241  -  []  286.1 264.6 90 top
NOREF#3242  -  []  380.2 21.33 0 top
NOREF#3243  -  []  600.23 241.7 90 top
NOREF#3244  -  []  519.43 263.68 0 top
NOREF#3245  -  []  393.03 265.66 90 top
NOREF#3246  -  []  290.47 260.25 90 top
NOREF#3247  -  []  152.85 272.9 0 top
NOREF#3248  -  []  98.22 268.59 90 top
NOREF#3249  -  []  632.68 201.19 90 top
NOREF#3250  -  []  99.04 289.44 90 top
NOREF#3251  -  []  293.69 261.05 90 top
NOREF#3252  -  []  515.33 31.37 90 top
NOREF#3253  -  []  283.29 210.63 0 top
NOREF#3254  -  []  281.69 259.43 0 top
NOREF#3255  -  []  102.55 290.11 0 top
NOREF#3256  -  []  336.67 251.82 90 top
NOREF#3257  -  []  169.25 227.37 0 top
NOREF#3258  -  []  335.29 446.71 90 top
NOREF#3259  -  []  488.48 454.25 0 top
NOREF#3260  -  []  94.61 209.03 0 top
NOREF#3261  -  []  405.69 201.03 0 top
NOREF#3262  -  []  108.43 256.21 90 top
NOREF#3263  -  []  625.2 358.82 90 top
NOREF#3264  -  []  88.19 206.65 90 top
NOREF#3265  -  []  602.39 269.01 0 top
NOREF#3266  -  []  436.21 226.41 0 top
NOREF#3267  -  []  337.67 273.68 0 top
NOREF#3268  -  []  402.1 260.59 90 top
NOREF#3269  -  []  354.59 442.9 90 top
NOREF#3270  -  []  113.2 257.88 90 top
NOREF#3271  -  []  220.03 432.64 0 top
NOREF#3272  -  []  292.87 201.05 90 top
NOREF#3273  -  []  325.22 254.8 0 top
NOREF#3274  -  []  192.97 286.06 0 top
NOREF#3275  -  []  401.3 271 90 top
NOREF#3276  -  []  302.91 28.45 90 top
NOREF#3277  -  []  142.8 207.63 0 top
NOREF#3278  -  []  99.39 262.61 0 top
NOREF#3279  -  []  121.01 164.08 0 top
NOREF#3280  -  []  218.66 40.93 0 top
NOREF#3281  -  []  92.39 230.11 0 top
NOREF#3282  -  []  603.99 270.63 0 top
NOREF#3283  -  []  410.24 245.98 90 top
NOREF#3284  -  []  592.43 240.8 90 top
NOREF#3285  -  []  437.41 281.69 90 top
NOREF#3286  -  []  403.7 269.39 90 top
NOREF#3287  -  []  107.17 314.58 0 top
NOREF#3288  -  []  534.17 227.37 90 top
NOREF#3289  -  []  362.01 433.78 0 top
NOREF#3290  -  []  101.9 290.09 0 top
NOREF#3291  -  []  405.3 203 90 top
NOREF#3292  -  []  592.79 269.85 90 top
NOREF#3293  -  []  406.32 254.31 0 top
NOREF#3294  -  []  685.63 31.15 90 top
NOREF#3295  -  []  87 209.4 90 top
NOREF#3296  -  []  655.45 386.46 90 top
NOREF#3297  -  []  244.78 272.24 0 top
NOREF#3298  -  []  599.21 212.21 0 top
NOREF#3299  -  []  22.23 387.3 90 top
NOREF#3300  -  []  166.78 46.1 90 top
NOREF#3301  -  []  325.92 227.96 0 top
NOREF#3302  -  []  88.12 310.77 90 top
NOREF#3303  -  []  354.59 442.9 0 top
NOREF#3304  -  []  559.93 309.63 90 top
NOREF#3305  -  []  604.79 264.23 0 top
NOREF#3306  -  []  612.33 325.6 0 top
NOREF#3307  -  []  604.01 273.83 0 top
NOREF#3308  -  []  87.41 270.61 0 top
NOREF#3309  -  []  288.07 263.45 90 top
NOREF#3310  -  []  287.31 204.23 0 top
NOREF#3311  -  []  289.71 209.83 0 top
NOREF#3312  -  []  49.95 405.28 90 top
NOREF#3313  -  []  328.89 227.94 90 top
NOREF#3314  -  []  465.64 435.24 90 top
NOREF#3315  -  []  246.53 205.92 0 top
NOREF#3316  -  []  599.6 266.2 90 top
NOREF#3317  -  []  154.91 286.01 0 top
NOREF#3318  -  []  397.69 212.23 0 top
NOREF#3319  -  []  561.83 314.58 0 top
NOREF#3320  -  []  272.3 193.22 90 top
NOREF#3321  -  []  407.9 254.36 90 top
NOREF#3322  -  []  352.82 437.44 90 top
NOREF#3323  -  []  62.72 331.72 90 top
NOREF#3324  -  []  289.67 268.25 90 top
NOREF#3325  -  []  220.03 432.64 90 top
NOREF#3326  -  []  594.77 204.62 0 top
NOREF#3327  -  []  108.31 164.08 0 top
NOREF#3328  -  []  245.04 202.32 90 top
NOREF#3329  -  []  283.29 207.41 0 top
NOREF#3330  -  []  207.73 330.54 90 top
NOREF#3331  -  []  104.9 206.92 90 top
NOREF#3332  -  []  634.21 266.32 0 top
NOREF#3333  -  []  283.29 205.81 0 top
NOREF#3334  -  []  88.57 203.82 0 top
NOREF#3335  -  []  638.54 360.47 90 top
NOREF#3336  -  []  15.31 16.65 90 top
NOREF#3337  -  []  207.73 92.61 90 top
NOREF#3338  -  []  169.25 214.96 0 top
NOREF#3339  -  []  56.94 271.67 0 top
NOREF#3340  -  []  289.71 209.03 0 top
NOREF#3341  -  []  10.39 226.07 0 top
NOREF#3342  -  []  351.22 433.78 90 top
NOREF#3343  -  []  404.11 201.81 0 top
NOREF#3344  -  []  171.09 27.31 0 top
NOREF#3345  -  []  307.3 244.22 90 top
NOREF#3346  -  []  599.6 198.19 90 top
NOREF#3347  -  []  404.5 260.59 90 top
NOREF#3348  -  []  290.49 261.03 90 top
NOREF#3349  -  []  598.8 208.6 90 top
NOREF#3350  -  []  283.09 290.11 90 top
NOREF#3351  -  []  601.57 263.45 90 top
NOREF#3352  -  []  219.68 47.53 90 top
NOREF#3353  -  []  403.27 209.85 90 top
NOREF#3354  -  []  468.22 378.54 0 top
NOREF#3355  -  []  401.71 265.01 0 top
NOREF#3356  -  []  225.85 435.24 90 top
NOREF#3357  -  []  615.17 273.82 90 top
NOREF#3358  -  []  226.75 144.61 0 top
NOREF#3359  -  []  162.2 443.92 90 top
NOREF#3360  -  []  539.03 203.04 90 top
NOREF#3361  -  []  590.72 241.71 0 top
NOREF#3362  -  []  285.3 199.79 90 top
NOREF#3363  -  []  598.41 267.41 0 top
NOREF#3364  -  []  50.39 390.09 0 top
NOREF#3365  -  []  413.67 201.03 90 top
NOREF#3366  -  []  405.69 199.43 0 top
NOREF#3367  -  []  158.13 235.79 90 top
NOREF#3368  -  []  602.59 180.8 90 top
NOREF#3369  -  []  278.38 185.05 90 top
NOREF#3370  -  []  372.27 28.72 0 top
NOREF#3371  -  []  91.8 207 90 top
NOREF#3372  -  []  406.51 272.21 0 top
NOREF#3373  -  []  57.44 390.09 0 top
NOREF#3374  -  []  242.71 209.57 90 top
NOREF#3375  -  []  75.45 189.07 90 top
NOREF#3376  -  []  641.53 197.43 90 top
NOREF#3377  -  []  367.09 433.78 0 top
NOREF#3378  -  []  351.65 291.08 0 top
NOREF#3379  -  []  97.01 265.03 0 top
NOREF#3380  -  []  234.8 59.33 315 top
NOREF#3381  -  []  279.31 267.41 0 top
NOREF#3382  -  []  407.7 261.39 90 top
NOREF#3383  -  []  281.3 271 90 top
NOREF#3384  -  []  106.29 290.41 90 top
NOREF#3385  -  []  559.16 42.97 90 top
NOREF#3386  -  []  106.62 290.11 0 top
NOREF#3387  -  []  602.41 209.03 0 top
NOREF#3388  -  []  400.5 199.8 90 top
NOREF#3389  -  []  27.41 386.28 90 top
NOREF#3390  -  []  84.62 153.24 0 top
NOREF#3391  -  []  602.41 261.03 0 top
NOREF#3392  -  []  290.24 185.98 90 top
NOREF#3393  -  []  284.89 203.41 0 top
NOREF#3394  -  []  414.5 277.54 90 top
NOREF#3395  -  []  405.59 218.14 0 top
NOREF#3396  -  []  608.06 140.59 0 top
NOREF#3397  -  []  601.59 267.43 90 top
NOREF#3398  -  []  188.85 222.56 0 top
NOREF#3399  -  []  290.51 213.01 0 top
NOREF#3400  -  []  353.03 34.29 90 top
NOREF#3401  -  []  98.49 230.11 0 top
NOREF#3402  -  []  598.87 45.36 90 top
NOREF#3403  -  []  559.57 427.65 90 top
NOREF#3404  -  []  537.38 198.09 90 top
NOREF#3405  -  []  279.29 211.45 90 top
NOREF#3406  -  []  69.07 335.53 0 top
NOREF#3407  -  []  349.55 62.08 0 top
NOREF#3408  -  []  397.3 272.6 90 top
NOREF#3409  -  []  282.91 432.22 90 top
NOREF#3410  -  []  373.61 263 90 top
NOREF#3411  -  []  98.79 277.99 90 top
NOREF#3412  -  []  11.29 265.98 0 top
NOREF#3413  -  []  379.01 213.31 0 top
NOREF#3414  -  []  398.1 199.02 90 top
NOREF#3415  -  []  115.62 279.58 90 top
NOREF#3416  -  []  603.97 209.85 90 top
NOREF#3417  -  []  92.19 212.23 90 top
NOREF#3418  -  []  330.29 205.08 90 top
NOREF#3419  -  []  366.23 205.67 0 top
NOREF#3420  -  []  617.08 127 90 top
NOREF#3421  -  []  593.28 325.6 0 top
NOREF#3422  -  []  88.6 269.39 90 top
NOREF#3423  -  []  598 266.2 90 top
NOREF#3424  -  []  251.52 55.76 90 top
NOREF#3425  -  []  86.17 212.62 0 top
NOREF#3426  -  []  97.01 269.83 0 top
NOREF#3427  -  []  638.54 162.63 90 top
NOREF#3428  -  []  218.9 193.73 90 top
NOREF#3429  -  []  446.86 436.97 90 top
NOREF#3430  -  []  598.85 241.71 90 top
NOREF#3431  -  []  540.3 131.22 90 top
NOREF#3432  -  []  150.53 436.75 0 top
NOREF#3433  -  []  392.3 219.22 0 top
NOREF#3434  -  []  504.4 35.81 90 top
NOREF#3435  -  []  498.27 272.9 90 top
NOREF#3436  -  []  441.22 285.76 90 top
NOREF#3437  -  []  597.39 157.23 0 top
NOREF#3438  -  []  282.07 205.42 0 top
NOREF#3439  -  []  392.35 231.42 90 top
NOREF#3440  -  []  629.71 256.98 0 top
NOREF#3441  -  []  503.64 28.83 0 top
NOREF#3442  -  []  399.31 267.41 0 top
NOREF#3443  -  []  169.95 445.82 0 top
NOREF#3444  -  []  103.94 290.09 0 top
NOREF#3445  -  []  606.98 241.71 0 top
NOREF#3446  -  []  373.61 206.2 0 top
NOREF#3447  -  []  177.57 445.82 90 top
NOREF#3448  -  []  323.23 32.26 0 top
NOREF#3449  -  []  533.66 51.35 90 top
NOREF#3450  -  []  95.39 201.85 90 top
NOREF#3451  -  []  433.97 53.56 90 top
NOREF#3452  -  []  566.05 265.61 90 top
NOREF#3453  -  []  336.67 241.04 90 top
NOREF#3454  -  []  52.64 150.81 90 top
NOREF#3455  -  []  89.77 261.83 90 top
NOREF#3456  -  []  400.62 428.64 90 top
NOREF#3457  -  []  58.29 168.38 0 top
NOREF#3458  -  []  289.71 269.03 0 top
NOREF#3459  -  []  506.73 445.44 0 top
NOREF#3460  -  []  56.39 216.76 0 top
NOREF#3461  -  []  285.3 259.79 90 top
NOREF#3462  -  []  670.26 204.48 90 top
NOREF#3463  -  []  282.49 207.45 90 top
NOREF#3464  -  []  435.3 288.77 0 top
NOREF#3465  -  []  270.49 416.31 90 top
NOREF#3466  -  []  409.69 272.21 0 top
NOREF#3467  -  []  385.3 181.02 90 top
NOREF#3468  -  []  259.3 225.22 0 top
NOREF#3469  -  []  167.54 48.9 90 top
NOREF#3470  -  []  365.33 265.91 0 top
NOREF#3471  -  []  99.87 230.09 0 top
NOREF#3472  -  []  593.59 199.43 0 top
NOREF#3473  -  []  85.79 204.23 0 top
NOREF#3474  -  []  326.95 273.68 0 top
NOREF#3475  -  []  290.9 262.2 90 top
NOREF#3476  -  []  96.57 209.42 0 top
NOREF#3477  -  []  380.2 21.33 90 top
NOREF#3478  -  []  90.04 289.19 90 top
NOREF#3479  -  []  274.02 93.84 90 top
NOREF#3480  -  []  253.61 263 90 top
NOREF#3481  -  []  287.31 264.23 0 top
NOREF#3482  -  []  599.19 212.21 0 top
NOREF#3483  -  []  600.01 268.21 0 top
NOREF#3484  -  []  59.69 389.29 0 top
NOREF#3485  -  []  303.14 261.84 90 top
NOREF#3486  -  []  104.26 229.19 90 top
NOREF#3487  -  []  277.14 283.88 0 top
NOREF#3488  -  []  399.7 202.2 90 top
NOREF#3489  -  []  571.99 153.42 90 top
NOREF#3490  -  []  302.24 267.47 90 top
NOREF#3491  -  []  86.97 266.22 0 top
NOREF#3492  -  []  330.29 193.65 90 top
NOREF#3493  -  []  347.95 46.1 90 top
NOREF#3494  -  []  283.29 270.63 0 top
NOREF#3495  -  []  608.78 273.07 90 top
NOREF#3496  -  []  405.69 205.85 90 top
NOREF#3497  -  []  573.99 274.56 90 top
NOREF#3498  -  []  104.26 290.41 90 top
NOREF#3499  -  []  596.01 265.03 0 top
NOREF#3500  -  []  38.32 450.66 90 top
NOREF#3501  -  []  4.26 330.2 0 top
NOREF#3502  -  []  602.39 266.65 90 top
NOREF#3503  -  []  629.71 201.62 0 top
NOREF#3504  -  []  404.89 269.03 0 top
NOREF#3505  -  []  237.23 211.69 0 top
NOREF#3506  -  []  597.57 204.23 90 top
NOREF#3507  -  []  123.79 43.58 0 top
NOREF#3508  -  []  364.85 27.61 0 top
NOREF#3509  -  []  601.59 266.61 0 top
NOREF#3510  -  []  263.3 226.22 0 top
NOREF#3511  -  []  342.05 239.37 90 top
NOREF#3512  -  []  399.67 211.02 0 top
NOREF#3513  -  []  52.64 163.53 90 top
NOREF#3514  -  []  598.37 269.03 90 top
NOREF#3515  -  []  313.95 454.91 0 top
NOREF#3516  -  []  330.54 55.96 90 top
NOREF#3517  -  []  94.97 207.02 0 top
NOREF#3518  -  []  11.67 393.57 90 top
NOREF#3519  -  []  623.88 279.68 90 top
NOREF#3520  -  []  278.38 245.05 90 top
NOREF#3521  -  []  279.17 223.88 0 top
NOREF#3522  -  []  278.49 209.81 0 top
NOREF#3523  -  []  87.39 207.43 90 top
NOREF#3524  -  []  287.31 206.63 0 top
NOREF#3525  -  []  513.71 428.29 90 top
NOREF#3526  -  []  57.91 274.63 90 top
NOREF#3527  -  []  207.72 281.46 90 top
NOREF#3528  -  []  195.66 434.8 90 top
NOREF#3529  -  []  87.82 343.36 90 top
NOREF#3530  -  []  3.19 144.27 90 top
NOREF#3531  -  []  595.17 266.63 90 top
NOREF#3532  -  []  79.23 131.19 90 top
NOREF#3533  -  []  400.5 42.53 0 top
NOREF#3534  -  []  293.1 39.2 90 top
NOREF#3535  -  []  592.43 182.01 90 top
NOREF#3536  -  []  286.1 204.6 90 top
NOREF#3537  -  []  539.03 196.69 90 top
NOREF#3538  -  []  404.47 265.42 0 top
NOREF#3539  -  []  599.21 259.41 0 top
NOREF#3540  -  []  358.53 209.14 90 top
NOREF#3541  -  []  195.72 55.76 90 top
NOREF#3542  -  []  610.95 293.32 0 top
NOREF#3543  -  []  86.61 267.43 0 top
NOREF#3544  -  []  410.9 203.8 90 top
NOREF#3545  -  []  435.3 222.67 0 top
NOREF#3546  -  []  90.61 268.21 0 top
NOREF#3547  -  []  519.43 276.1 0 top
NOREF#3548  -  []  56.39 276.76 0 top
NOREF#3549  -  []  345.83 444.8 90 top
NOREF#3550  -  []  594 258.2 90 top
NOREF#3551  -  []  279.67 210.22 0 top
NOREF#3552  -  []  278.1 259.02 90 top
NOREF#3553  -  []  336.65 244.07 0 top
NOREF#3554  -  []  532.98 225.76 0 top
NOREF#3555  -  []  279.67 207.82 0 top
NOREF#3556  -  []  422.18 330.54 90 top
NOREF#3557  -  []  137.9 58.67 0 top
NOREF#3558  -  []  139.93 216.3 0 top
NOREF#3559  -  []  631.5 355.36 0 top
NOREF#3560  -  []  299.26 23.33 90 top
NOREF#3561  -  []  238.83 210.99 0 top
NOREF#3562  -  []  600.88 241.71 90 top
NOREF#3563  -  []  566.15 319.4 0 top
NOREF#3564  -  []  498.27 231.97 0 top
NOREF#3565  -  []  251.87 436.45 0 top
NOREF#3566  -  []  100.97 206.63 90 top
NOREF#3567  -  []  175.34 434.8 0 top
NOREF#3568  -  []  591.21 269.83 0 top
NOREF#3569  -  []  514.03 266.69 90 top
NOREF#3570  -  []  482.51 228.77 90 top
NOREF#3571  -  []  318.68 49.91 90 top
NOREF#3572  -  []  313.88 436.45 0 top
NOREF#3573  -  []  413.67 261.03 90 top
NOREF#3574  -  []  576.06 259.57 90 top
NOREF#3575  -  []  202.81 286.06 0 top
NOREF#3576  -  []  284.47 265.42 0 top
NOREF#3577  -  []  441.21 226.41 90 top
NOREF#3578  -  []  141.16 427.5 90 top
NOREF#3579  -  []  -2.69 69.04 0 top
NOREF#3580  -  []  283.43 428.64 90 top
NOREF#3581  -  []  69.07 310.77 90 top
NOREF#3582  -  []  625.1 219.17 0 top
NOREF#3583  -  []  237.78 203.62 0 top
NOREF#3584  -  []  291.27 268.23 90 top
NOREF#3585  -  []  153.22 240.39 0 top
NOREF#3586  -  []  96.99 212.21 0 top
NOREF#3587  -  []  604.62 180.8 90 top
NOREF#3588  -  []  602.59 240.8 90 top
NOREF#3589  -  []  366.3 273.11 90 top
NOREF#3590  -  []  491.24 378.54 0 top
NOREF#3591  -  []  411.27 269.03 90 top
NOREF#3592  -  []  611.49 312.42 90 top
NOREF#3593  -  []  85.37 269.42 0 top
NOREF#3594  -  []  509.38 51.18 90 top
NOREF#3595  -  []  538.08 48.15 90 top
NOREF#3596  -  []  292.09 271.41 0 top
NOREF#3597  -  []  297.52 190.01 90 top
NOREF#3598  -  []  627.75 219.51 90 top
NOREF#3599  -  []  318.15 28.45 90 top
NOREF#3600  -  []  145.8 333.72 0 top
NOREF#3601  -  []  272.3 253.22 90 top
NOREF#3602  -  []  407.29 269.03 90 top
NOREF#3603  -  []  186.65 216.36 0 top
NOREF#3604  -  []  292.59 248.81 90 top
NOREF#3605  -  []  201.73 378.54 0 top
NOREF#3606  -  []  409.69 271.41 0 top
NOREF#3607  -  []  534.17 221.16 90 top
NOREF#3608  -  []  606.37 263.43 90 top
NOREF#3609  -  []  507.11 437.01 90 top
NOREF#3610  -  []  402.1 209.4 90 top
NOREF#3611  -  []  402.47 209.83 90 top
NOREF#3612  -  []  596.79 269.81 0 top
NOREF#3613  -  []  286.51 204.21 0 top
NOREF#3614  -  []  99.39 266.61 0 top
NOREF#3615  -  []  601.17 207.02 0 top
NOREF#3616  -  []  144.77 444.95 0 top
NOREF#3617  -  []  13.26 49.84 90 top
NOREF#3618  -  []  392.13 263.55 90 top
NOREF#3619  -  []  100.82 314.58 0 top
NOREF#3620  -  []  615.48 129.74 0 top
NOREF#3621  -  []  599.19 268.23 0 top
NOREF#3622  -  []  489.05 434.85 90 top
NOREF#3623  -  []  401.3 259.8 90 top
NOREF#3624  -  []  357.02 27.91 90 top
NOREF#3625  -  []  176.3 29.51 0 top
NOREF#3626  -  []  683.79 89.79 90 top
NOREF#3627  -  []  85.97 290.41 90 top
NOREF#3628  -  []  61.64 269.57 90 top
NOREF#3629  -  []  580.95 197.23 90 top
NOREF#3630  -  []  633.37 283.23 90 top
NOREF#3631  -  []  282.79 92.61 90 top
NOREF#3632  -  []  440.02 218.28 0 top
NOREF#3633  -  []  88 289.19 90 top
NOREF#3634  -  []  292.87 202.65 90 top
NOREF#3635  -  []  170.9 216.36 0 top
NOREF#3636  -  []  575.29 251.96 90 top
NOREF#3637  -  []  121.14 206.83 90 top
NOREF#3638  -  []  103.94 230.09 0 top
NOREF#3639  -  []  584.63 195.55 0 top
NOREF#3640  -  []  529.06 46.5 0 top
NOREF#3641  -  []  328.89 193.65 90 top
NOREF#3642  -  []  410.1 211 90 top
NOREF#3643  -  []  79.87 159.77 90 top
NOREF#3644  -  []  215.44 43.68 0 top
NOREF#3645  -  []  96.79 40.89 0 top
NOREF#3646  -  []  399.7 200.59 90 top
NOREF#3647  -  []  263.26 21.33 0 top
NOREF#3648  -  []  97.37 211.02 0 top
NOREF#3649  -  []  410.95 285.56 90 top
NOREF#3650  -  []  287.9 253.53 90 top
NOREF#3651  -  []  603.6 262.2 90 top
NOREF#3652  -  []  287.67 267.82 0 top
NOREF#3653  -  []  598.8 266.2 90 top
NOREF#3654  -  []  440.02 220.31 0 top
NOREF#3655  -  []  288.87 212.23 90 top
NOREF#3656  -  []  264.28 416.31 90 top
NOREF#3657  -  []  405.69 265.05 90 top
NOREF#3658  -  []  356 224.13 90 top
NOREF#3659  -  []  408.89 266.65 90 top
NOREF#3660  -  []  349.55 58.88 90 top
NOREF#3661  -  []  326.89 250.82 0 top
NOREF#3662  -  []  124.32 309.63 90 top
NOREF#3663  -  []  155.05 272.9 0 top
NOREF#3664  -  []  337.54 22.63 0 top
NOREF#3665  -  []  385.3 181.02 90 top
NOREF#3666  -  []  91 265.39 90 top
NOREF#3667  -  []  441.22 283.73 90 top
NOREF#3668  -  []  514.03 228.77 90 top
NOREF#3669  -  []  599.6 206.2 90 top
NOREF#3670  -  []  253.37 39.72 0 top
NOREF#3671  -  []  91.8 262.99 90 top
NOREF#3672  -  []  593.17 263.82 0 top
NOREF#3673  -  []  171.22 429.31 90 top
NOREF#3674  -  []  274.78 224.18 90 top
NOREF#3675  -  []  73.52 309.63 90 top
NOREF#3676  -  []  325.24 263.25 90 top
NOREF#3677  -  []  101.72 229.46 90 top
NOREF#3678  -  []  520.41 31.37 90 top
NOREF#3679  -  []  415.4 27.63 90 top
NOREF#3680  -  []  398.87 209.42 0 top
NOREF#3681  -  []  404.07 261.05 90 top
NOREF#3682  -  []  576.06 255.54 90 top
NOREF#3683  -  []  117.51 426.58 90 top
NOREF#3684  -  []  91.77 260.62 0 top
NOREF#3685  -  []  284.89 263.41 0 top
NOREF#3686  -  []  412.59 188.81 90 top
NOREF#3687  -  []  422.24 267.47 90 top
NOREF#3688  -  []  283.7 259.8 90 top
NOREF#3689  -  []  62.84 251.68 90 top
NOREF#3690  -  []  97.01 210.63 0 top
NOREF#3691  -  []  290.1 211 90 top
NOREF#3692  -  []  586.01 181.7 90 top
NOREF#3693  -  []  128.53 49.42 90 top
NOREF#3694  -  []  408.47 211.02 0 top
NOREF#3695  -  []  85.58 154.05 90 top
NOREF#3696  -  []  609.13 152.6 0 top
NOREF#3697  -  []  596.49 242.01 90 top
NOREF#3698  -  []  325.22 266.23 0 top
NOREF#3699  -  []  407.67 267.02 0 top
NOREF#3700  -  []  99 199.02 0 top
NOREF#3701  -  []  600.4 266.99 90 top
NOREF#3702  -  []  406.34 218.14 0 top
NOREF#3703  -  []  406.49 270.61 0 top
NOREF#3704  -  []  359.13 378.54 0 top
NOREF#3705  -  []  580.85 283.37 0 top
NOREF#3706  -  []  81.66 257.87 90 top
NOREF#3707  -  []  280.5 199.8 90 top
NOREF#3708  -  []  617.08 136.27 90 top
NOREF#3709  -  []  403.67 213.42 0 top
NOREF#3710  -  []  439.11 284.7 0 top
NOREF#3711  -  []  83.94 289.19 90 top
NOREF#3712  -  []  88 290.41 90 top
NOREF#3713  -  []  97.37 203.02 0 top
NOREF#3714  -  []  606.37 203.45 90 top
NOREF#3715  -  []  512.44 445.44 0 top
NOREF#3716  -  []  245.33 273.53 0 top
NOREF#3717  -  []  600.4 209.4 90 top
NOREF#3718  -  []  329.22 239.37 90 top
NOREF#3719  -  []  96.99 263.41 0 top
NOREF#3720  -  []  254.99 420.16 90 top
NOREF#3721  -  []  593.28 322.4 90 top
NOREF#3722  -  []  380.1 226.22 0 top
NOREF#3723  -  []  98.59 199.45 90 top
NOREF#3724  -  []  450.3 165.22 90 top
NOREF#3725  -  []  604.79 260.21 0 top
NOREF#3726  -  []  95.63 289.46 90 top
NOREF#3727  -  []  440.32 222.67 0 top
NOREF#3728  -  []  286.49 210.61 0 top
NOREF#3729  -  []  280.89 271.41 0 top
NOREF#3730  -  []  399.27 211.45 90 top
NOREF#3731  -  []  376.81 213.31 0 top
NOREF#3732  -  []  604.37 274.22 0 top
NOREF#3733  -  []  355.4 270.11 90 top
NOREF#3734  -  []  404.09 210.63 0 top
NOREF#3735  -  []  100.52 290.11 0 top
NOREF#3736  -  []  685.63 157.52 90 top
NOREF#3737  -  []  284.47 206.22 0 top
NOREF#3738  -  []  342.05 273.66 90 top
NOREF#3739  -  []  287.29 260.23 0 top
NOREF#3740  -  []  357.48 25.07 0 top
NOREF#3741  -  []  288.89 272.23 0 top
NOREF#3742  -  []  619.49 136.53 90 top
NOREF#3743  -  []  602 211 90 top
NOREF#3744  -  []  99.37 208.23 90 top
NOREF#3745  -  []  605.98 322.4 90 top
NOREF#3746  -  []  440.01 282.99 0 top
NOREF#3747  -  []  98.16 229.19 90 top
NOREF#3748  -  []  67.4 246.22 0 top
NOREF#3749  -  []  279.31 203.41 0 top
NOREF#3750  -  []  436.2 285.03 0 top
NOREF#3751  -  []  288.89 265.85 90 top
NOREF#3752  -  []  4.26 102.49 90 top
NOREF#3753  -  []  281.75 279.4 90 top
NOREF#3754  -  []  528.13 196.69 0 top
NOREF#3755  -  []  436.51 228.77 0 top
NOREF#3756  -  []  24.93 397.53 0 top
NOREF#3757  -  []  320.38 43.28 0 top
NOREF#3758  -  []  613.77 136.53 90 top
NOREF#3759  -  []  75.45 249.07 0 top
NOREF#3760  -  []  400.89 199.43 0 top
NOREF#3761  -  []  340.75 29.07 90 top
NOREF#3762  -  []  150.8 133.72 90 top
NOREF#3763  -  []  272.92 431.58 90 top
NOREF#3764  -  []  86.97 263.02 0 top
NOREF#3765  -  []  347.8 263 0 top
NOREF#3766  -  []  405.3 199.79 90 top
NOREF#3767  -  []  156.1 287.41 0 top
NOREF#3768  -  []  596.49 182.01 90 top
NOREF#3769  -  []  284.87 209.85 90 top
NOREF#3770  -  []  602.39 269.81 0 top
NOREF#3771  -  []  11.29 238.12 0 top
NOREF#3772  -  []  355.89 230.13 0 top
NOREF#3773  -  []  63.07 193.36 0 top
NOREF#3774  -  []  405.67 269.85 90 top
NOREF#3775  -  []  634.88 257.43 90 top
NOREF#3776  -  []  574.23 322.4 90 top
NOREF#3777  -  []  284.5 260.59 90 top
NOREF#3778  -  []  566.28 159.77 90 top
NOREF#3779  -  []  638.54 165.83 0 top
NOREF#3780  -  []  277.69 212.23 0 top
NOREF#3781  -  []  408.89 265.85 90 top
NOREF#3782  -  []  93.33 312.42 90 top
NOREF#3783  -  []  278.49 269.81 0 top
NOREF#3784  -  []  388.15 249.07 90 top
NOREF#3785  -  []  231.09 39.2 90 top
NOREF#3786  -  []  365.04 209.94 90 top
NOREF#3787  -  []  534.17 214.96 90 top
NOREF#3788  -  []  86.97 267.82 0 top
NOREF#3789  -  []  280.08 251.74 90 top
NOREF#3790  -  []  291.27 211.43 90 top
NOREF#3791  -  []  186.65 222.56 0 top
NOREF#3792  -  []  406.49 271.43 90 top
NOREF#3793  -  []  625.1 219.17 90 top
NOREF#3794  -  []  598.03 149.86 90 top
NOREF#3795  -  []  312.48 274.83 0 top
NOREF#3796  -  []  175.67 38.91 0 top
NOREF#3797  -  []  282.49 261.83 0 top
NOREF#3798  -  []  597.97 211.82 0 top
NOREF#3799  -  []  86.97 265.42 0 top
NOREF#3800  -  []  601.59 207.43 90 top
NOREF#3801  -  []  336.65 243.37 0 top
NOREF#3802  -  []  519.43 428.29 90 top
NOREF#3803  -  []  257.73 55.76 90 top
NOREF#3804  -  []  105.14 229.44 90 top
NOREF#3805  -  []  412.47 267.82 0 top
NOREF#3806  -  []  288.87 259.45 90 top
NOREF#3807  -  []  14.75 29.62 0 top
NOREF#3808  -  []  85.58 135 0 top
NOREF#3809  -  []  358.53 263.62 0 top
NOREF#3810  -  []  598.53 242.01 90 top
NOREF#3811  -  []  580.85 223.37 0 top
